# Altium PCB TRACKER.PcbDoc (part 1 of 2) (continued)
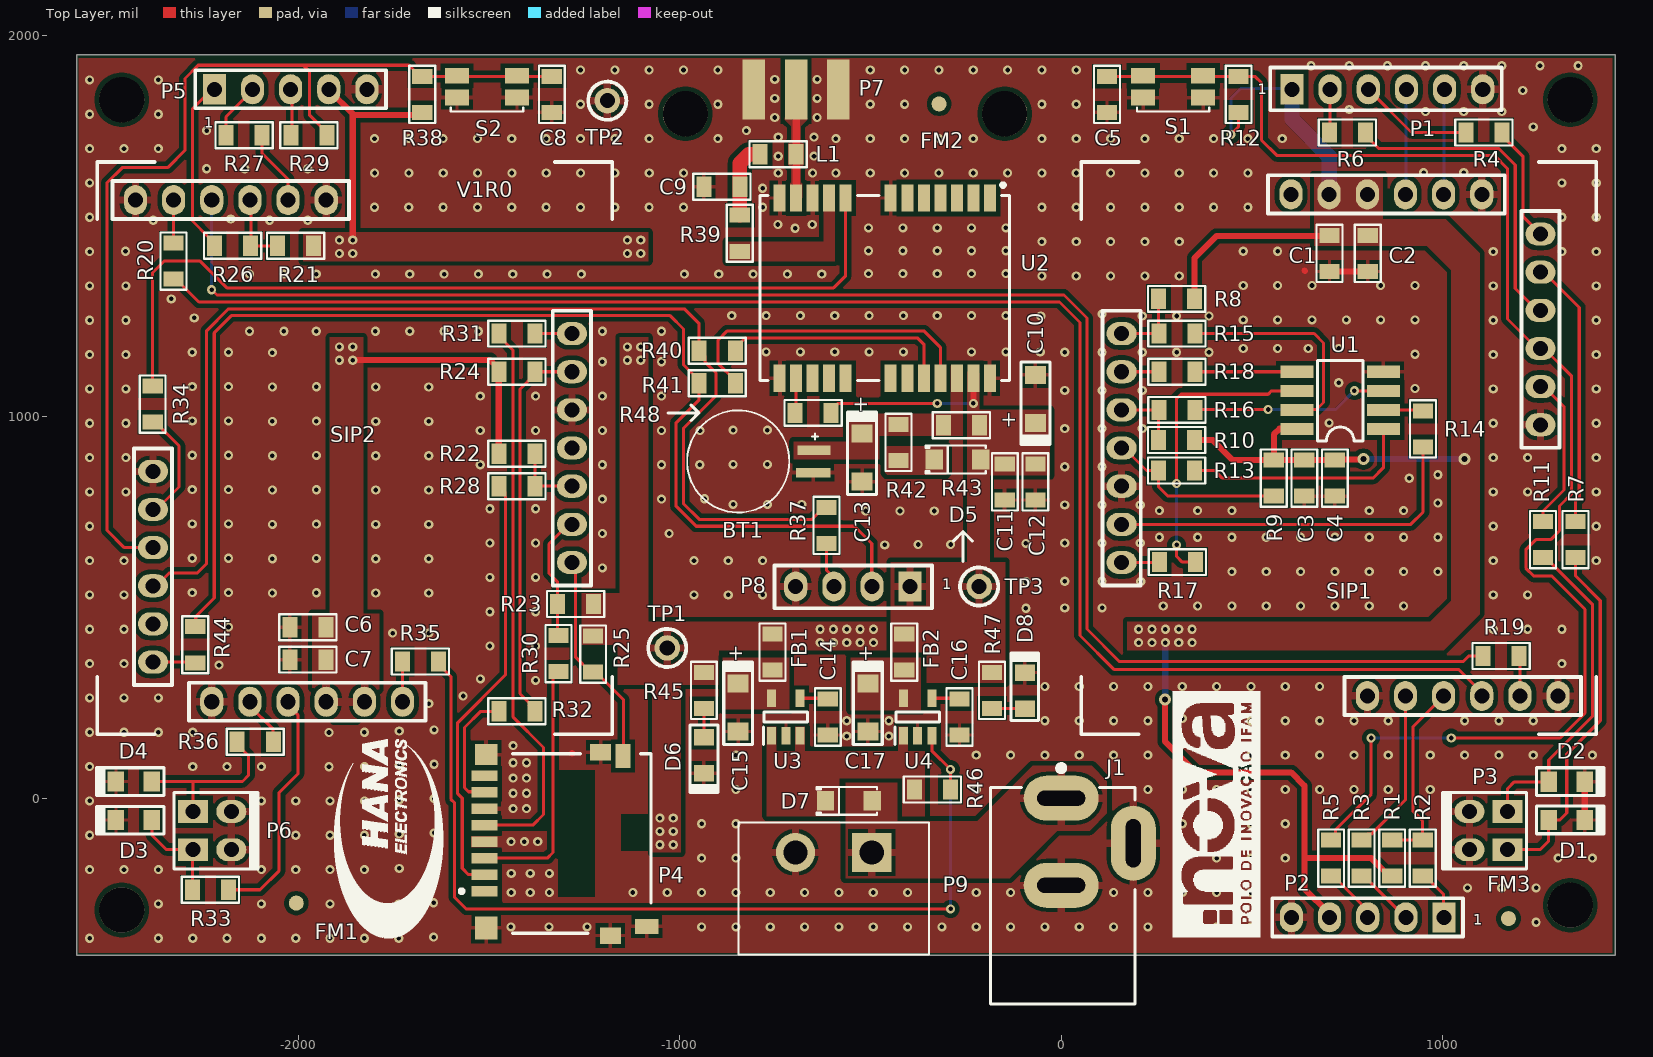
[diagram p0: Top Layer view]
## Part data (continued)
FB1 FB2: "FERRITE BEAD SMD 0805, 120Ω/100MHz, DC_RES=0.19Ω, 600mA", Case Code (Imperial)=0805, Case Code (Metric)=2012, Current Rating=600mA, DC Resistance (DCR)=190mR, DC Resistance-Max=250mR, Frequency=100MHz, Manufacturer=Murata, Max DC Current=200mA, Max Operating Temperature=125°C, Min Operating Temperature=-55°C, Package Quantity=1, Supplier Part Number 1=81-BLM21B121S, Tolerance=25%, Case/Package=0805, Category="Ferrite Beads and Chips", ComponentLink1Description=https://datasheet.ciiva.com/11800/0900766b81275df9-11800837.pdf?src-supplier=Rs, ComponentLink1URL=https://datasheet.ciiva.com/11800/0900766b81275df9-11800837.pdf?src-supplier=Rs, ComponentLink2Description=https://datasheet.ciiva.com/41449/001172337-da-01-en-drossel-0805-120r-2-0x1-25mm-4000st-41449654.pdf?src-supplier=Conrad, ComponentLink2URL=https://datasheet.ciiva.com/41449/001172337-da-01-en-drossel-0805-120r-2-0x1-25mm-4000st-41449654.pdf?src-supplier=Conrad, ComponentLink3Description=https://datasheet.ciiva.com/16420/l0110s0100blm21b-16420733.pdf?src-supplier=Future+Electronics, ComponentLink3URL=https://datasheet.ciiva.com/16420/l0110s0100blm21b-16420733.pdf?src-supplier=Future+Electronics, ComponentLink4Description=https://datasheet.ciiva.com/8021/5159-8021526.pdf?src-supplier=Element14, ComponentLink4URL=https://datasheet.ciiva.com/8021/5159-8021526.pdf?src-supplier=Element14, ComponentLink5Description=https://datasheet.ciiva.com/1012/l0110s0100blm21b-1012662.pdf?src-supplier=Digi-Key, ComponentLink5URL=https://datasheet.ciiva.com/1012/l0110s0100blm21b-1012662.pdf?src-supplier=Digi-Key, ComponentLink6Description=https://datasheet.ciiva.com/1012/l0110s0100blm21b-1012663.pdf?src-supplier=Digi-Key, ComponentLink6URL=https://datasheet.ciiva.com/1012/l0110s0100blm21b-1012663.pdf?src-supplier=Digi-Key, ComponentLink7Description=https://datasheet.ciiva.com/1012/l0110s0100blm21b-1012664.pdf?src-supplier=Digi-Key, ComponentLink7URL=https://datasheet.ciiva.com/1012/l0110s0100blm21b-1012664.pdf?src-supplier=Digi-Key, ComponentLink8Description=https://datasheet.ciiva.com/3082/l0110s0100blm21b-3082737.pdf?src-supplier=Avnet, ComponentLink8URL=https://datasheet.ciiva.com/3082/l0110s0100blm21b-3082737.pdf?src-supplier=Avnet, Core Material=Ferrite, Depth=1.45mm, Height=0.85mm, Impedance=120R, Lead Free="Lead Free", Length=2mm, Manufacturer Part Number=BLM21BB121SN1D, Material=Steel,Ferrite, Max Current Rating=600mA, Number of Circuits=1, Number of Lines=1, Packaging="Tape and Reel", Pins=2, Pricing 1="1=0,15, 10=0,1, 50=0,1, 100=0,069, 1000=0,042, 10000=0,037 (USD)", Reach SVHC Compliant=No, RoHS=Yes, RoHS Compliant=Yes, Series=BLM21B, Shielding=Unshielded, Stock 1=377, Supplier 1=Mouser, Supplier 2=Digi-Key, Supplier 3=Digi-Key, Supplier Part Number 2=490-1042-6-ND, Supplier Part Number 3=490-1042-1-ND, Termination=SMD/SMT, Test Frequency=100MHz, Weight=0.000194oz, Width=1.25mm
J1: "CONN PWR JACK 2.5X5.5MM SOLDER", Color=Black, Current Rating=2.5A, Flammability Rating="UL94 V-0", Insulation Resistance=100MR, Manufacturer=CUI, Manufacturer Part Number=PJ-002B, Max Operating Temperature=85°C, Min Operating Temperature=-25°C, Package Quantity=500, Supplier Part Number 1=CP-002B-ND, Voltage Rating=24V, Category=Connectors, ComponentLink1Description=http://www.mouser.com/ds/2/670/pj-002b-515833.pdf?src-supplier=Mouser, ComponentLink1URL=http://www.mouser.com/ds/2/670/pj-002b-515833.pdf?src-supplier=Mouser, ComponentLink2Description=https://www.cui.com/product/resource/digikeypdf/pj-002b.pdf?src-supplier=Digi-Key, ComponentLink2URL=https://www.cui.com/product/resource/digikeypdf/pj-002b.pdf?src-supplier=Digi-Key, ComponentLink3Description=http://www.cui.com/Product/Resource/FuturePDF/PJ-002B.pdf?src-supplier=Future+Electronics, ComponentLink3URL=http://www.cui.com/Product/Resource/FuturePDF/PJ-002B.pdf?src-supplier=Future+Electronics, Connector Type=Jack, Contact Gender=Male, Contact Material="Copper,Copper Alloy", Contact Plating=Nickel, Diameter=2.5mm, Gender=Male, Housing Color=Black, Housing Material=Thermoplastic, Lead Free="Lead Free", Mount="Through Hole", Number of Conductors=2, Orientation=Horizontal, Packaging=Bulk, RoHS=Yes, Series=-, Shielding=Unshielded, Supplier 1=Digi-Key, Termination="Through Hole"
L1: library part PE-0603CD270JTT, "Inductor RF Chip Wirewound 27nH 5% 250MHz 35Q-Factor Ceramic 600mA 220mOhm DCR 0603 T/R", Case Code (Imperial)=0603, Case Code (Metric)=1608, Current Rating=600mA, DC Resistance (DCR)=220mR, Manufacturer=Pulse, Max Operating Temperature=125°C, Min Operating Temperature=-40°C, Package Quantity=2000, Self Resonant Frequency=2.8GHz, Supplier Part Number 1=673-PE-0603CD270JT, Test Frequency=250MHz, Tolerance=5%, Case/Package=0603, Category="Fixed Inductors", ComponentLink1Description=https://datasheet.ciiva.com/3867/41750067s7463805n6149-3867141.pdf?src-supplier=Arrow+Electronics, ComponentLink1URL=https://datasheet.ciiva.com/3867/41750067s7463805n6149-3867141.pdf?src-supplier=Arrow+Electronics, ComponentLink2Description=https://datasheet.ciiva.com/48683/+wc701-48683258.pdf?src-supplier=Avnet, ComponentLink2URL=https://datasheet.ciiva.com/48683/+wc701-48683258.pdf?src-supplier=Avnet, Core Material=Ceramic, Depth=1.24mm, Height=0.64mm, Height - Seated (Max)=0.04inch, Lead Free="Lead Free", Length=0.071inch, Manufacturer Part Number=PE-0603CD270JTT, Max DC Current=600mA, Mounting Technology="Surface Mount", Packaging="Tape and Reel", Pricing 1="1=0,4, 10=0,268, 50=0,268, 100=0,223, 1000=0,161, 10000=0,128 (USD)", Q Factor=35, Radiation Hardening=No, RoHS=Yes, RoHS Compliant=Yes, Series=0603CD, Shielding=Unshielded, Stock 1=11114, Supplier 1=Mouser, Supplier 2=Digi-Key, Supplier 3=Digi-Key, Supplier Part Number 2=553-1022-1-ND, Supplier Part Number 3=553-1022-6-ND, Termination=SMD/SMT, Weight=7.1E-05oz, Width=0.049inch
P1: "Dubox®, Board To Board Connector, Receptacle, Vertical, Through Hole, Single Row, Top Entry, 6 Positions, 2.54mm...", Color=Blue, Contact Resistance=20mR, Current Rating=3A, Manufacturer="Amphenol ICC / FCI", Max Operating Temperature=125°C, Max Voltage Rating (AC)=1kV, Min Operating Temperature=-65°C, Package Quantity=38, Supplier Part Number 1=649-75915-306LF, Category=Connectors, ComponentLink1Description=http://uk.rs-online.com/webdocs/1450/0900766b81450f78.pdf?src-supplier=Rs, ComponentLink1URL=http://uk.rs-online.com/webdocs/1450/0900766b81450f78.pdf?src-supplier=Rs, ComponentLink2Description=https://www.alliedelec.com/m/d/3fdd05ac84d362d84c92a466b6b2a112.pdf?src-supplier=Allied+Electronics, ComponentLink2URL=https://www.alliedelec.com/m/d/3fdd05ac84d362d84c92a466b6b2a112.pdf?src-supplier=Allied+Electronics, ComponentLink3Description=https://datasheet.octopart.com/75915-306LF-Amphenol-Communications-Solutions-datasheet-8496762.pdf?src-supplier=Newark, ComponentLink3URL=https://datasheet.octopart.com/75915-306LF-Amphenol-Communications-Solutions-datasheet-8496762.pdf?src-supplier=Newark, ComponentLink4Description=http://portal.fciconnect.com/Comergent/fci/drawing/75915.pdf?src-supplier=Avnet, ComponentLink4URL=http://portal.fciconnect.com/Comergent/fci/drawing/75915.pdf?src-supplier=Avnet, ComponentLink5Description=https://cdn.amphenol-icc.com/media/wysiwyg/files/drawing/75915.pdf?src-supplier=Digi-Key, ComponentLink5URL=https://cdn.amphenol-icc.com/media/wysiwyg/files/drawing/75915.pdf?src-supplier=Digi-Key, ComponentLink6Description=http://www.mouser.com/ds/2/154/75915-68319.pdf?src-supplier=Mouser, ComponentLink6URL=http://www.mouser.com/ds/2/154/75915-68319.pdf?src-supplier=Mouser, ComponentLink7Description=http://components.arrow.com/part/dataview/41915849S8311523N8314?src-supplier=Arrow+Electronics, ComponentLink7URL=http://components.arrow.com/part/dataview/41915849S8311523N8314?src-supplier=Arrow+Electronics, ComponentLink8Description=http://portal.fciconnect.com/Comergent/fci/drawing/75915.pdf?src-supplier=Element14, ComponentLink8URL=http://portal.fciconnect.com/Comergent/fci/drawing/75915.pdf?src-supplier=Element14, ComponentLink9Description=https://datasheet.octopart.com/75915-306LF-Amphenol-datasheet-94059536.pdf?src-supplier=Element14, ComponentLink9URL=https://datasheet.octopart.com/75915-306LF-Amphenol-datasheet-94059536.pdf?src-supplier=Element14, ComponentLink10Description=https://datasheet.octopart.com/75915-306LF-Amphenol-Communications-Solutions-datasheet-168215130.pdf?src-supplier=TME, ComponentLink10URL=https://datasheet.octopart.com/75915-306LF-Amphenol-Communications-Solutions-datasheet-168215130.pdf?src-supplier=TME, Connector Type=Receptacle, Contact Material=Bronze, Contact Plating=Gold, Depth=2.5mm, Gender=Receptacle, Housing Color=Blue, Housing Material=Thermoplastic, Length=15.16mm, Manufacturer Part Number=75915-306LF, Mounting Technology="Through Hole", Number of Contacts=6, Number of Positions=6, Number of Rows=1, Orientation=Straight, Packaging=Rail/Tube, Pitch=2.54mm, Pricing 1="1=0,8242, 10=0,6975, 25=0,6703, 50=0,6435, 100=0,5765, 250=0,4365 (USD)", Radiation Hardening=No, Reach SVHC Compliant=No, RoHS=No, Series="DUBOX™, MezzSelect™, Basics+", Stack Height=8.5mm, Stock 1=10427, Supplier 1=Mouser, Supplier 2=Digi-Key, Supplier Part Number 2=609-3558-ND, Termination=Solder, Voltage Rating=1kV
P2 P5: library part 75915-305LF, "Dubox®, Board To Board Connector, Receptacle, Vertical, Through Hole, Single Row, Top Entry, 5 Positions, 2.54mm...", Color=Blue, Contact Resistance=20mR, Manufacturer="Amphenol ICC / FCI", Max Operating Temperature=125°C, Max Voltage Rating (AC)=1kV, Min Operating Temperature=-65°C, Package Quantity=46, Supplier Part Number 1=649-75915-305LF, Category=Connectors, ComponentLink1Description=https://datasheet.ciiva.com/10148/75915-10148925.pdf?src-supplier=Avnet, ComponentLink1URL=https://datasheet.ciiva.com/10148/75915-10148925.pdf?src-supplier=Avnet, ComponentLink2Description=https://datasheet.ciiva.com/411/75915-411935.pdf?src-supplier=Digi-Key, ComponentLink2URL=https://datasheet.ciiva.com/411/75915-411935.pdf?src-supplier=Digi-Key, Connector Type=Receptacle, Contact Material=Bronze, Contact Plating=Gold, Depth=2.5mm, Gender=Female, Housing Color=Blue, Housing Material=Thermoplastic, Lead Free="Lead Free", Length=12.62mm, Manufacturer Part Number=75915-305LF, Mounting Technology="Through Hole", Number of Contacts=5, Number of Positions=5, Number of Rows=1, Orientation=Straight, Packaging=Rail/Tube, Pitch=2.54mm, Pricing 1="1=0,9623, 10=0,7633, 25=0,7318, 50=0,6655, 100=0,6312, 500=0,4183 (USD)", Radiation Hardening=No, RoHS=Yes, Series="DUBOX™, MezzSelect™, Basics+", Stock 1=1208, Supplier 1=Mouser, Supplier 2=Digi-Key, Supplier Part Number 2=609-5979-ND, Termination=Solder
P3 P6: "HEADER 2X3, PTH-2.54MM, VERT, MALE"
P4: "Memory Card Connectors MICRO SD CD CONN STD SMT PUSHPULL", Contact Resistance=100mR, Current Rating=500mA, Flammability Rating="UL94 V-0", Insulation Resistance=1GR, Manufacturer=Hirose, Max Operating Temperature=85°C, Max Voltage Rating (AC)=125V, Min Operating Temperature=-25°C, Package Quantity=1, Supplier Part Number 1=798-DM3D-SF, Category="Memory Connectors", ComponentLink1Description=https://datasheet.ciiva.com/11755/0900766b80fd13c1-11755152.pdf?src-supplier=Rs, ComponentLink1URL=https://datasheet.ciiva.com/11755/0900766b80fd13c1-11755152.pdf?src-supplier=Rs, ComponentLink2Description=https://datasheet.ciiva.com/1105/1697167-1105105.pdf?src-supplier=Element14, ComponentLink2URL=https://datasheet.ciiva.com/1105/1697167-1105105.pdf?src-supplier=Element14, ComponentLink3Description=https://datasheet.ciiva.com/22627/1697167-22627974.pdf?src-supplier=Farnell, ComponentLink3URL=https://datasheet.ciiva.com/22627/1697167-22627974.pdf?src-supplier=Farnell, ComponentLink4Description=https://datasheet.ciiva.com/3122/e60900232-3122537.pdf?src-supplier=Avnet, ComponentLink4URL=https://datasheet.ciiva.com/3122/e60900232-3122537.pdf?src-supplier=Avnet, ComponentLink5Description=https://datasheet.ciiva.com/15174/getdatasheetpartid-432464-15174822.pdf?src-supplier=Verical, ComponentLink5URL=https://datasheet.ciiva.com/15174/getdatasheetpartid-432464-15174822.pdf?src-supplier=Verical, ComponentLink6Description=https://datasheet.ciiva.com/16287/e60900232-16287615.pdf?src-supplier=Future+Electronics, ComponentLink6URL=https://datasheet.ciiva.com/16287/e60900232-16287615.pdf?src-supplier=Future+Electronics, ComponentLink7Description=https://datasheet.ciiva.com/683/e60900232-683362.pdf?src-supplier=Digi-Key, ComponentLink7URL=https://datasheet.ciiva.com/683/e60900232-683362.pdf?src-supplier=Digi-Key, ComponentLink8Description=https://datasheet.ciiva.com/683/e60900232-683363.pdf?src-supplier=Digi-Key, ComponentLink8URL=https://datasheet.ciiva.com/683/e60900232-683363.pdf?src-supplier=Digi-Key, ComponentLink9Description=https://datasheet.ciiva.com/683/e60900232-683364.pdf?src-supplier=Digi-Key, ComponentLink9URL=https://datasheet.ciiva.com/683/e60900232-683364.pdf?src-supplier=Digi-Key, Connector Type=Connector, Contact Material="Copper Alloy,Copper", Contact Plating=Gold, Depth=11.45mm, Gender=Female, Housing Material=Polymer, Lead Free="Lead Free", Length=11.95mm, Manufacturer Part Number=DM3D-SF, Max Current Rating=500mA, Mounting Technology="Surface Mount", Number of Contacts=8, Number of Rows=1, Orientation="Right Angle", Packaging="Tape and Reel", Pitch=1.1mm, Pricing 1="1=1,82, 10=1,59, 50=1,59, 100=1,42, 1000=1,02, 10000=0,899 (USD)", Radiation Hardening=No, Reach SVHC Compliant=No, RoHS=Yes, RoHS Compliant=Yes, Series=DM3, Stock 1=57458, Supplier 1=Mouser, Supplier 2=Digi-Key, Supplier 3=Digi-Key, Supplier Part Number 2=HR1941CT-ND, Supplier Part Number 3=HR1941DKR-ND, Termination=Solder, Voltage Rating (AC)=125V, Width=11.95mm
P7: "Sma Female Connector, Pcb Edge Mount Rohs Compliant: Yes", Case/Package=SMA, Manufacturer="RF Solutions", Supplier Part Number 1=223-CON-SMA-EDGE-S, Category="RF / Coaxial Connectors", ComponentLink1Description=https://media.digikey.com/pdf/Data%20Sheets/RF%20Solutions%20PDFs/CON-SMA-EDGE.pdf?src-supplier=Digi-Key, ComponentLink1URL=https://media.digikey.com/pdf/Data%20Sheets/RF%20Solutions%20PDFs/CON-SMA-EDGE.pdf?src-supplier=Digi-Key, Connector Type=SMA, Fastening Type=Threaded, Manufacturer Part Number=CON-SMA-EDGE-S, Mounting Technology=Edge,Board, Number of Ports=1, Pricing 1="1=1,69 (USD)", RoHS=Yes, Series=-, Stock 1=11103, Supplier 1=Mouser, Supplier 2=Digi-Key, Supplier Part Number 2=CON-SMA-EDGE-S-ND, Termination=Solder
P8: "NEO 5M GPS MODULE (NO PPS SIGNAL)"
P9: "312; 5.08mm Pitch Straight Pluggable Term Block; PCB Header; Through Hole; 2 Way", Color=Green, Current=20A, Flammability Rating="UL94 V-0", Manufacturer="Wurth Electronics", Supplier Part Number 1=710-691312510002, Voltage=300V, Category="Terminal Blocks", ComponentLink1Description=https://datasheet.ciiva.com/48692/001088667-da-01-en-wr-tbl-terminal-block312-691312510002-48692923.pdf?src-supplier=Conrad, ComponentLink1URL=https://datasheet.ciiva.com/48692/001088667-da-01-en-wr-tbl-terminal-block312-691312510002-48692923.pdf?src-supplier=Conrad, Contact Material=Brass, Contact Plating=Tin, Height=12mm, Housing Material=PBT, Length=11.5mm, Manufacturer Part Number=691312510002, Mounting Technology="Through Hole", Number of Contacts=2, Number of Levels=1, Number of Positions=2, Number of Positions Per Level=2, Number of Rows=1, Pitch=5.08mm, Pricing 1="1=0,35, 10=0,333, 50=0,316, 100=0,316, 1000=0,312, 10000=0,308 (USD)", Reach SVHC Compliant=Unknown, RoHS=Yes, RoHS Compliant=Yes, Series="WR-TBL Series 312", Stock 1=3027, Supplier 1=Mouser, Supplier 2=Digi-Key, Supplier Part Number 2=732-2064-ND, Termination=Solder, Width=10.16mm
R1 R21: library part ERJ-6GEYJ104V, "RES SMD 0805, 100K OHM 5% 1/8W", Case Code (Imperial)=0805, Case Code (Metric)=2012, Manufacturer=Panasonic, Max Operating Temperature=155°C, Max Power Dissipation=125mW, Min Operating Temperature=-55°C, Package Quantity=5000, Resistance=100kR, Supplier Part Number 1=667-ERJ-6GEYJ104V, Temperature Coefficient=200ppm/°C, Tolerance=5%, Voltage Rating=150V, Case/Package=0805, ComponentLink1Description=https://datasheet.ciiva.com/11821/0900766b80f806dd-11821506.pdf?src-supplier=RSComponents, ComponentLink1URL=https://datasheet.ciiva.com/11821/0900766b80f806dd-11821506.pdf?src-supplier=RSComponents, ComponentLink2Description=https://datasheet.ciiva.com/34303/2007290-34303759.pdf?src-supplier=Jameco, ComponentLink2URL=https://datasheet.ciiva.com/34303/2007290-34303759.pdf?src-supplier=Jameco, ComponentLink3Description=https://datasheet.ciiva.com/16771/70255313-16771462.pdf?src-supplier=Allied+Electronics, ComponentLink3URL=https://datasheet.ciiva.com/16771/70255313-16771462.pdf?src-supplier=Allied+Electronics, ComponentLink4Description=https://datasheet.ciiva.com/43460/1500035-43460136.pdf?src-supplier=Farnell, ComponentLink4URL=https://datasheet.ciiva.com/43460/1500035-43460136.pdf?src-supplier=Farnell, ComponentLink5Description=https://datasheet.ciiva.com/22758/1500035-22758234.pdf?src-supplier=Farnell, ComponentLink5URL=https://datasheet.ciiva.com/22758/1500035-22758234.pdf?src-supplier=Farnell, ComponentLink6Description=https://datasheet.ciiva.com/17208/aoa0000ce1-17208156.pdf?src-supplier=Avnet+Europe, ComponentLink6URL=https://datasheet.ciiva.com/17208/aoa0000ce1-17208156.pdf?src-supplier=Avnet+Europe, ComponentLink7Description=https://datasheet.ciiva.com/30137/4aoa0000ce1-30137389.pdf?src-supplier=Onlinecomponents.com, ComponentLink7URL=https://datasheet.ciiva.com/30137/4aoa0000ce1-30137389.pdf?src-supplier=Onlinecomponents.com, ComponentLink8Description=https://datasheet.ciiva.com/9117/aoa0000ce1-9117374.pdf?src-supplier=Avnet, ComponentLink8URL=https://datasheet.ciiva.com/9117/aoa0000ce1-9117374.pdf?src-supplier=Avnet, ComponentLink9Description=https://datasheet.ciiva.com/46380/1500035-46380511.pdf?src-supplier=Element14, ComponentLink9URL=https://datasheet.ciiva.com/46380/1500035-46380511.pdf?src-supplier=Element14, Composition="Thick Film", Contact Plating=Tin, Depth=1.25mm, Features="Automotive AEC-Q200", Height=0.6mm, Lead Free="Lead Free", Length=2mm, Manufacturer Part Number=ERJ-6GEYJ104V, Military Standard=Not, Mount="Surface Mount", Number of Terminations=2, Packaging="Tape and Reel", Power Rating=125mW, Pricing 1="1 = 0,10000, 10 = 0,06100, 100 = 0,02490, 1000 = 0,01120, 2500 = 0,00972 (USD)", Radiation Hardening=No, REACH SVHC="No SVHC", RoHS=Yes, Stock 1=1160981, Supplier 1=Mouser, Supplier 2=Digi-Key, Supplier 3=Digi-Key, Supplier Part Number 2=P100KACT-ND, Supplier Part Number 3=P100KADKR-ND, Termination=SMD/SMT, Voltage Rating (DC)=150V, Weight=0.000194oz, Width=0.049inch
R2 R3 R4 R5 R6 R13 R14 R15 R16 R17 R18 R19 R20 R26 R27 R28 R29 R30 R31 R32 R34 R35 R37 R40 R44: library part ERJ-P06J220V, "RES SMD 0805, 22 OHM 5% 1/2W", Case Code (Imperial)=0805, Case Code (Metric)=2012, Manufacturer=Panasonic, Max Operating Temperature=155°C, Max Power Dissipation=500mW, Min Operating Temperature=-55°C, Package Quantity=1, Supplier Part Number 1=667-ERJ-P06J220V, Temperature Coefficient=300ppm/°C, Tolerance=5%, Voltage Rating=150V, Case/Package=0805, Category="Chip SMD Resistors", ComponentLink1Description=https://datasheet.ciiva.com/9191/aoa0000ce4-9191918.pdf?src-supplier=Avnet, ComponentLink1URL=https://datasheet.ciiva.com/9191/aoa0000ce4-9191918.pdf?src-supplier=Avnet, ComponentLink2Description=https://datasheet.ciiva.com/30188/aoa0000ce4-30188085.pdf?src-supplier=Onlinecomponents.com, ComponentLink2URL=https://datasheet.ciiva.com/30188/aoa0000ce4-30188085.pdf?src-supplier=Onlinecomponents.com, Contact Plating=Tin, Features="Automotive AEC-Q200", Height=0.028inch, Lead Free="Lead Free", Length=0.079inch, Manufacturer Part Number=ERJ-P06J220V, Mounting Technology="Surface Mount", Number of Terminations=2, Packaging="Tape and Reel", Power Rating=500mW, Pricing 1="1=0,11, 10=0,056, 50=0,056, 100=0,025, 1000=0,018, 5000=0,014, 10000=0,013, 25000=0,011, 50000=0,01 (USD)", Pricing 2="1=0,11, 10=0,095, 50=0,051, 100=0,0364, 500=0,02254, 1000=0,016 (USD)", Pricing 3="1=0,11, 10=0,095, 50=0,051, 100=0,0364, 500=0,02254, 1000=0,016 (USD)", RoHS=Yes, RoHS Compliant=Yes, Series=ERJ, Stock 1=62638, Stock 2=967, Stock 3=967, Supplier 1=Mouser, Supplier 2=Digi-Key, Supplier 3=Digi-Key, Supplier Part Number 2=P22ADCT-ND, Supplier Part Number 3=P22ADDKR-ND, Voltage Rating (DC)=150V, Width=1.2mm
R7 R11 R33 R36 R45 R47: library part RNCP0805FTD1K00, "Res Thin Film 0805 1K Ohm 1% 0.25W(1/4W) ±100ppm/C Sulfur Resistant Pad SMD T/R", Case Code (Imperial)=0805, Case Code (Metric)=2012, Manufacturer="Stackpole Electronics", Max Operating Temperature=155°C, Max Power Dissipation=250mW, Min Operating Temperature=-55°C, Supplier Part Number 1=708-RNCP0805FTD1K00, Temperature Coefficient=100ppm/°C, Tolerance=1%, Case/Package=0805, Category="Chip SMD Resistors", ComponentLink1Description=http://www.seielect.com/Catalog/SEI-rncp.pdf?src-supplier=Future+Electronics, ComponentLink1URL=http://www.seielect.com/Catalog/SEI-rncp.pdf?src-supplier=Future+Electronics, ComponentLink2Description=https://www.seielect.com/catalog/SEI-Packaging.pdf?src-supplier=Digi-Key, ComponentLink2URL=https://www.seielect.com/catalog/SEI-Packaging.pdf?src-supplier=Digi-Key, ComponentLink3Description=https://www.seielect.com/Catalog/SEI-rncp.pdf?src-supplier=Digi-Key, ComponentLink3URL=https://www.seielect.com/Catalog/SEI-rncp.pdf?src-supplier=Digi-Key, Features="Moisture Resistant,Anti-Sulfur", Height=0.024inch, Lead Free="Lead Free", Length=0.079inch, Manufacturer Part Number=RNCP0805FTD1K00, Mounting Technology="Surface Mount", Number of Terminations=2, Packaging="Cut Tape", Power Rating=250mW, Pricing 1="1=0,1, 10=0,069, 50=0,069, 100=0,029, 1000=0,013, 10000=0,007 (USD)", RoHS=Yes, RoHS Compliant=Yes, Series=RNCP, Stock 1=70653, Supplier 1=Mouser, Supplier 2=Digi-Key, Supplier 3=Digi-Key, Supplier Part Number 2=RNCP0805FTD1K00CT-ND, Supplier Part Number 3=RNCP0805FTD1K00DKR-ND, Width=0.049inch
R8 R9 R10 R12 R22 R23 R24 R25 R38 R48: library part RNCP0805FTD10K0, "Res Thin Film 0805 10K Ohm 1% 1/4W ±100ppm/°C Molded SMD Paper T/R", Case Code (Imperial)=0805, Case Code (Metric)=2012, Manufacturer="Stackpole Electronics", Max Operating Temperature=155°C, Max Power Dissipation=250mW, Min Operating Temperature=-55°C, Supplier Part Number 1=708-RNCP0805FTD10K0, Temperature Coefficient=100ppm/°C, Tolerance=1%, Case/Package=0805, Category="Chip SMD Resistors", ComponentLink1Description=https://datasheet.octopart.com/RNCP0805FTD10K0-Stackpole-Electronics-datasheet-33021030.pdf?src-supplier=Future+Electronics, ComponentLink1URL=https://datasheet.octopart.com/RNCP0805FTD10K0-Stackpole-Electronics-datasheet-33021030.pdf?src-supplier=Future+Electronics, ComponentLink2Description=https://www.seielect.com/catalog/SEI-Packaging.pdf?src-supplier=Digi-Key, ComponentLink2URL=https://www.seielect.com/catalog/SEI-Packaging.pdf?src-supplier=Digi-Key, Features="Moisture Resistant,Anti-Sulfur", Height=0.024inch, Lead Free="Lead Free", Length=0.079inch, Manufacturer Part Number=RNCP0805FTD10K0, Mounting Technology="Surface Mount", Number of Terminations=2, Packaging="Cut Tape", Pricing 1="1=0,1, 10=0,069, 50=0,069, 100=0,029, 1000=0,013, 10000=0,007 (USD)", RoHS=Yes, RoHS Compliant=Yes, Series=RNCP, Stock 1=197654, Supplier 1=Mouser, Width=0.049inch
R39: library part CRCW080510R0FKEAHP, "RES SMD 0805, 10 OHM 1% 1/3W", Case Code (Imperial)=0805, Case Code (Metric)=2012, Manufacturer=Vishay, Max Operating Temperature=155°C, Max Power Dissipation=333mW, Min Operating Temperature=-55°C, Package Quantity=5000, Power Rating=330mW, Ratings=AEC-Q200, Resistance Tolerance=1%, Resistor Type="Thick Film", Supplier Part Number 1=71-CRCW080510R0FKEAH, Temperature Coefficient=100ppm/°C, Voltage Rating=150V, Case/Package=0805, Category="Chip SMD Resistors", ComponentLink1Description=https://datasheet.ciiva.com/5549/crcwhpe3-46056-5549342.pdf?src-supplier=Mouser, ComponentLink1URL=https://datasheet.ciiva.com/5549/crcwhpe3-46056-5549342.pdf?src-supplier=Mouser, ComponentLink2Description=https://datasheet.ciiva.com/22673/1885357-22673082.pdf?src-supplier=Element14, ComponentLink2URL=https://datasheet.ciiva.com/22673/1885357-22673082.pdf?src-supplier=Element14, ComponentLink3Description=https://datasheet.ciiva.com/22673/1885357-22673083.pdf?src-supplier=Element14, ComponentLink3URL=https://datasheet.ciiva.com/22673/1885357-22673083.pdf?src-supplier=Element14, Construction=Rectangular, Contact Plating=Tin, Depth=1.25mm, Features="Automotive AEC-Q200", Height=0.5mm, Lead Free="Lead Free", Length=2mm, Manufacturer Part Number=CRCW080510R0FKEAHP, Military Standard=Not, Number of Terminations=2, Packaging="Tape and Reel", Pricing 1="1=0,19, 10=0,103, 50=0,103, 100=0,046, 1000=0,026, 10000=0,022 (USD)", Radiation Hardening=No, Reach SVHC Compliant=Unknown, RoHS=Yes, RoHS Compliant=Yes, Series=CRCW-HP, Stock 1=690923, Supplier 1=Mouser, Supplier 2=Digi-Key, Supplier 3=Digi-Key, Supplier Part Number 2=541-10.0TCT-ND, Supplier Part Number 3=541-10.0TDKR-ND, Technology="THICK FILM", Termination=SMD/SMT, Tolerance=1%, Voltage Rating (DC)=150V, Weight=0.000194oz, Width=1.2mm
R41 R43 R46: library part RC0805JR-070RL, "RES SMD 0805, 0 OHM JUMPER 1/8W", Case Code (Imperial)=0805, Case Code (Metric)=2012, Manufacturer 1=Yageo, Max Operating Temperature=155°C, Min Operating Temperature=-55°C, Power Rating=125mW, Resistance=0mR, Supplier Part Number 1=603-RC0805JR-070RL, Temperature Coefficient=200ppm/°C, Tolerance=5%, Voltage Rating=150V, Case/Package=0805, ComponentLink1Description=http://www.farnell.com/datasheets/1738694.pdf, ComponentLink1URL=http://www.farnell.com/datasheets/1738694.pdf, ComponentLink2Description=http://documents.rs-components.com/techlib://itc_doclist_GB.htm?stockno=6185129, ComponentLink2URL=http://documents.rs-components.com/techlib://itc_doclist_GB.htm?stockno=6185129, ComponentLink3Description=https://www.verical.com/server-webapp/html/getDatasheet?partID=330685, ComponentLink3URL=https://www.verical.com/server-webapp/html/getDatasheet?partID=330685, Composition="Thick Film", Contact Plating=Matte,Tin, Depth=1.25mm, Description 1="YAGEO         RC0805JR-070RL             RES, THICK FILM, 0R, 0.125W, 0805", Height=0.5mm, Lead Free="Lead Free", Length=2mm, Manufacturer Part Number=RC0805JR-070RL, Military Standard=Not, Number of Pins=2, Packaging="Tape and Reel", Pricing 1="1=0.1, 10=0.037, 25=0.0272, 50=0.0206, 100=0.0153, 250=0.01164, 500=0.0093, 1000=0.00685 (USD)", Radiation Hardening=No, REACH SVHC=Unknown, Stock 1=18575448, Supplier 1=Mouser, Supplier 2=Digi-Key, Supplier 3=Digi-Key, Supplier Part Number 2=311-0.0ARCT-ND, Supplier Part Number 3=311-0.0ARDKR-ND, Termination=SMD/SMT, Voltage Rating (DC)=150V, Width=1.25mm
R42: library part ESR10EZPJ332, "RES SMD 0805, 3.3K OHM 5% 0.4W", Case Code (Imperial)=0805, Case Code (Metric)=2012, Manufacturer=Rohm, Max Operating Temperature=155°C, Max Power Dissipation=400mW, Min Operating Temperature=-55°C, Ratings=AEC-Q200, Supplier Part Number 1=755-ESR10EZPJ332, Temperature Coefficient=200ppm/°C, Tolerance=5%, Case/Package=0805, Category="Chip SMD Resistors", ComponentLink1Description=https://datasheet.ciiva.com/2515/esr-2515908.pdf?src-supplier=Digi-Key, ComponentLink1URL=https://datasheet.ciiva.com/2515/esr-2515908.pdf?src-supplier=Digi-Key, ComponentLink2Description=https://datasheet.ciiva.com/2515/esr-2515909.pdf?src-supplier=Digi-Key, ComponentLink2URL=https://datasheet.ciiva.com/2515/esr-2515909.pdf?src-supplier=Digi-Key, ComponentLink3Description=https://datasheet.ciiva.com/2515/esr-2515910.pdf?src-supplier=Digi-Key, ComponentLink3URL=https://datasheet.ciiva.com/2515/esr-2515910.pdf?src-supplier=Digi-Key, Features="Automotive AEC-Q200", Manufacturer Part Number=ESR10EZPJ332, Number of Terminations=2, Packaging="Cut Tape", Pricing 1="1=0,13, 10=0,064, 50=0,064, 100=0,029, 1000=0,02, 10000=0,013 (USD)", RoHS=Yes, RoHS Compliant=Yes, Series=ESR, Stock 1=15240, Supplier 1=Mouser, Supplier 2=Digi-Key, Supplier 3=Digi-Key, Supplier Part Number 2=RHM3.3KKDKR-ND, Supplier Part Number 3=RHM3.3KKCT-ND
S1 S2: "Switch Tactile N.O. SPST Rectangular Button Gull Wing 0.05A 12VDC 2.2N SMD Embossed T/R", Actuator Color=Black, Case/Package=SMD/SMT, Contact Current Rating=50mA, Contact Resistance=500mR, Manufacturer=Panasonic, Max Operating Temperature=70°C, Max Voltage Rating (DC)=12V, Min Operating Temperature=-20°C, Operating Force=2.2N, Package Quantity=5000, Supplier Part Number 1=667-EVQP7A01P, Actuator Length=0.65mm, Category="Tactile Switches", ComponentLink1Description=https://www3.panasonic.biz/ac/e_download/control/switch/light-touch/catalog/sw_lt_eng_3529s_side.pdf, ComponentLink1URL=https://www3.panasonic.biz/ac/e_download/control/switch/light-touch/catalog/sw_lt_eng_3529s_side.pdf, ComponentLink2Description=https://datasheet.ciiva.com/30108/atk0000ce20-30108102.pdf?src-supplier=Onlinecomponents.com, ComponentLink2URL=https://datasheet.ciiva.com/30108/atk0000ce20-30108102.pdf?src-supplier=Onlinecomponents.com, Electrical Life=100000Cycles, Illumination Type=Non-Illuminated, Lead Free="Lead Free", Manufacturer Part Number=EVQ-P7A01P, Mechanical Life=100000Cycles, Mounting Technology="Surface Mount", Orientation="Right Angle", Packaging="Tape and Reel", Pricing 1="1=0,28, 10=0,258, 50=0,258, 100=0,213, 1000=0,169, 10000=0,138 (USD)", Radiation Hardening=No, Reach SVHC Compliant=Unknown, RoHS=Yes, Series=EVQP7, Stock 1=48946, Supplier 1=Mouser, Supplier 2=Digi-Key, Supplier 3=Digi-Key, Supplier Part Number 2=P16763CT-ND, Supplier Part Number 3=P16763DKR-ND, Switch Function=Off-Mom, Switch Travel=0.2mm, Termination="Gull Wing", Throw Configuration=SPST
SIP1 SIP2: "Pinos Fêmea para encaixe de HT Breakout"
TP1: library part "TESTPOINT 5000", "PC TEST POINT MINIATURE RED", Color=Red, Flammability Rating="UL94 V-0", Manufacturer 1="Keystone Electronics", Manufacturer Part Number 1=5000, Package Quantity=100, Supplier Part Number 1=36-5000-ND, Body Material=PBT,Bronze, ComponentLink1Description=https://datasheet.ciiva.com/11836/0900766b8009b7c7-11836046.pdf?src-supplier=RSComponents, ComponentLink1URL=https://datasheet.ciiva.com/11836/0900766b8009b7c7-11836046.pdf?src-supplier=RSComponents, ComponentLink2Description=https://datasheet.ciiva.com/2917/5000-5004-2917627.pdf?src-supplier=Digi-Key, ComponentLink2URL=https://datasheet.ciiva.com/2917/5000-5004-2917627.pdf?src-supplier=Digi-Key, ComponentLink3Description=https://datasheet.ciiva.com/16883/70182825-16883965.pdf?src-supplier=Allied+Electronics, ComponentLink3URL=https://datasheet.ciiva.com/16883/70182825-16883965.pdf?src-supplier=Allied+Electronics, Contact Material=Bronze, Contact Plating=Silver,Tin, Height=0.3inch, Hole Diameter=1.6mm, Housing Color=Red, Inside Diameter=1.27mm, Insulation=Insulated, Lead Free="Lead Free", Length=7.62mm, Material=Nylon,Bronze,Silver, Mount="Through Hole,PCB", Number of Contacts=1, Number of Ports=1, Orientation=Straight, Outside Diameter=2.54mm, Packaging=Bulk, Plating=Silver, Pricing 1="1=0,35000, 25=0,30800, 100=0,30150, 250=0,28304, 500=0,25230, 1000=0,17140, 2500=0,15296, 5000=0,14340, 10000=0,13384 (USD)", REACH SVHC="No SVHC", RoHS=Yes, Stock 1=386862, Supplier 1=Digi-Key
TP2: library part "TESTPOINT 5001", "PC TEST POINT MINIATURE BLACK", Color=Black, Flammability Rating="UL94 V-0", Manufacturer 1="Keystone Electronics", Manufacturer Part Number 1=5001, Package Quantity=100, Supplier Part Number 1=36-5001-ND, Body Material=PBT,Bronze, ComponentLink1Description=https://datasheet.ciiva.com/27052/1581986-27052611.pdf?src-supplier=Jameco, ComponentLink1URL=https://datasheet.ciiva.com/27052/1581986-27052611.pdf?src-supplier=Jameco, ComponentLink2Description=https://datasheet.ciiva.com/11836/0900766b8009b7c7-11836045.pdf?src-supplier=RSComponents, ComponentLink2URL=https://datasheet.ciiva.com/11836/0900766b8009b7c7-11836045.pdf?src-supplier=RSComponents, ComponentLink3Description=https://datasheet.ciiva.com/16318/m60-2p60-16318423.pdf?src-supplier=Future+Electronics, ComponentLink3URL=https://datasheet.ciiva.com/16318/m60-2p60-16318423.pdf?src-supplier=Future+Electronics, ComponentLink4Description=https://datasheet.ciiva.com/22631/1703983-22631100.pdf?src-supplier=Element14, ComponentLink4URL=https://datasheet.ciiva.com/22631/1703983-22631100.pdf?src-supplier=Element14, Contact Material=Bronze, Contact Plating=Silver,Tin, Diameter=2.54mm, Height=0.3inch, Hole Diameter=1.6mm, Housing Color=Black, Inside Diameter=1.27mm, Insulation=Insulated, Lead Free="Lead Free", Length=7.62mm, Material=Nylon,Bronze,Silver, Mount="Through Hole,PCB", Number of Contacts=1, Number of Ports=1, Orientation=Straight, Outside Diameter=2.54mm, Packaging=Bulk, Plating=Silver, Pricing 1="1=0,35000, 25=0,30800, 100=0,30150, 250=0,28304, 500=0,25230, 1000=0,17140, 2500=0,15296, 5000=0,14340, 10000=0,13384 (USD)", REACH SVHC="No SVHC", RoHS=Yes, Stock 1=483919, Supplier 1=Digi-Key, Termination="Through Hole"
TP3: library part "TESTPOINT 5003", "PC TEST POINT MINIATURE ORANGE", Color=Orange,White, Flammability Rating="UL94 V-0", Manufacturer 1="Keystone Electronics", Package Quantity=10, Supplier Part Number 1=36-5003-ND, Body Material=PBT, Category=Connectors, ComponentLink1Description=https://datasheet.ciiva.com/1454/1703983-1454826.pdf?src-supplier=Element14, ComponentLink1URL=https://datasheet.ciiva.com/1454/1703983-1454826.pdf?src-supplier=Element14, ComponentLink2Description=https://datasheet.ciiva.com/22631/1703983-22631103.pdf?src-supplier=Element14, ComponentLink2URL=https://datasheet.ciiva.com/22631/1703983-22631103.pdf?src-supplier=Element14, ComponentLink3Description=https://datasheet.ciiva.com/4598/5000-5004-4598618.pdf?src-supplier=Mouser, ComponentLink3URL=https://datasheet.ciiva.com/4598/5000-5004-4598618.pdf?src-supplier=Mouser, ComponentLink4Description=https://datasheet.ciiva.com/16885/70182825-16885788.pdf?src-supplier=Allied+Electronics, ComponentLink4URL=https://datasheet.ciiva.com/16885/70182825-16885788.pdf?src-supplier=Allied+Electronics, Contact Material=Bronze, Contact Plating=Silver,Tin, Height=0.3inch, Inside Diameter=1.27mm, Lead Free="Lead Free", Length=7.62mm, Manufacturer Part Number 1=5003, Material=Nylon,Bronze,Silver, Mount="PCB,Through Hole", Number of Pins=1, Outside Diameter=2.54mm, Packaging=Bulk, Plating=Silver, Pricing 1="1=0,42000, 25=0,34080, 100=0,30150, 250=0,28304, 500=0,25230, 1000=0,19884, 2500=0,18180, 5000=0,17044 (USD)", REACH SVHC="No SVHC", RoHS=Yes, RoHS Compliant=Yes, Series=THM, Stock 1=86359, Supplier 1=Digi-Key, Termination="Through Hole"
U1: "IC FLASH 8MBIT 104MHZ 8SOIC", Case/Package=SOIC, Frequency=104MHz, Manufacturer=Winbond, Max Operating Temperature=85°C, Min Operating Temperature=-40°C, Supplier Part Number 1=454-W25Q80DVSNIG, Category=Flash, ComponentLink1Description=http://www.winbond.com/resource-files/w25q80dv%20dl_revh_10022015.pdf?src-supplier=Digi-Key, ComponentLink1URL=http://www.winbond.com/resource-files/w25q80dv%20dl_revh_10022015.pdf?src-supplier=Digi-Key, Manufacturer Part Number=W25Q80DVSNIG, Memory Format=Non-Volatile,FLASH, Memory Size=8Mb, Mounting Technology="Surface Mount", Packaging=Rail/Tube, Pricing 1="1=0,51, 10=0,5, 25=0,464, 50=0,4616, 100=0,4099, 250=0,40472, 500=0,39858, 1000=0,38794, 5000=0,34874 (USD)", RoHS=Yes, RoHS Compliant=Yes, Series=SpiFlash®, Stock 1=106019, Supplier 1=Mouser, Supplier 2=Digi-Key, Supplier Part Number 2=W25Q80DVSNIG-ND
U2: "GNSS module, Flash, TCXO, SAW, LNA, LCC, 12x16 mm Professional Grade", Manufacturer=u-blox, Supplier Part Number 1=377-NEO-M9N-00B, Category="RF Receivers, Transceivers", Manufacturer Part Number=NEO-M9N-00B, Pricing 1="1=27, 10=23,92, 50=19,61, 100=15,6801 (USD)", RoHS=Yes, RoHS Compliant=Yes, Stock 1=3456, Supplier 1=Mouser, Supplier 2=Digi-Key, Supplier Part Number 2=672-NEO-M9N-00BCT-ND
U3 U4: "IC REG LDO 3.3V 0.5A SOT23-5", Case/Package=SOT-23-5, Dropout Voltage=340mV, Manufacturer=Exar, Manufacturer Part Number=SPX3819M5-L-3-3/TR, Max Operating Temperature=125°C, Max Output current=100mA, Max Supply Voltage=16V, Min Input Voltage=2.5V, Min Operating Temperature=-40°C, Min Output Voltage=3.3V, Output Current=500mA, Quiescent Current=3uA, Supplier Part Number 1=701-SPX3819M5-L-33TR, Accuracy=1%, Category="Voltage Regulators - Linear", ComponentLink1Description=https://datasheet.ciiva.com/6594/spx3819-ds-r202-052014-6594086.pdf?src-supplier=Digi-Key, ComponentLink1URL=https://datasheet.ciiva.com/6594/spx3819-ds-r202-052014-6594086.pdf?src-supplier=Digi-Key, ComponentLink2Description=https://datasheet.ciiva.com/16291/spx3819-series-16291548.pdf?src-supplier=Future+Electronics, ComponentLink2URL=https://datasheet.ciiva.com/16291/spx3819-series-16291548.pdf?src-supplier=Future+Electronics, Height=1.3mm, Lead Free="Lead Free", Length=2.9mm, Mounting Technology="Surface Mount", Number of Outputs=1, Number of Regulators=1, Output Type=Fixed, Output Voltage=3.3V, Packaging="Tape and Reel", Pins=5, Polarity=Positive, Pricing 1="50=0,362, 100=0,352, 250=0,308, 500=0,261 (GBP)", Radiation Hardening=No, RoHS=Yes, RoHS Compliant=Yes, Stock 1=360, Supplier 1=Mouser, Supplier 2=Digi-Key, Supplier 3="Arrow Electronics", Supplier Part Number 2=1016-1873-1-ND, Supplier Part Number 3=SPX3819M5-L-3-3/TR, Width=1.6mm

## Free pads (board coordinates)
  round 118.11 hole 118.11 unplated: ""(-2462.43,-293) ""(-2462.43,1830.78) ""(1334.31,-280.4) ""(1334.31,1830.78)

## Via types
v1: diameter 24, hole 12, Top Layer to Bottom Layer, tented both sides, 687 vias
v2: diameter 31.5, hole 15.75, Top Layer to Bottom Layer, tented both sides, 3 vias
v3: diameter 24, hole 12, Top Layer to Bottom Layer, 1 vias

## Nets (pads, with @x,y where several pads share a name; then routed paths per layer and width w, separated by ;. In a path a pad name is that pad's centre, name@x,y a point inside that pad or via, vN(x,y) a via of type N, cw(c..) or ccw(c..) an arc to the next point about the centre after c; other vN are vias at no path point)
+3.3V: C1.1 C2.1 C3.1 C4.1 C6.1 C7.1 FB1.2 P1.1 P2.4 P4.4 P5.4 R1.2 R8.2 R9.2 R10.2 R12.2 R21.2 R22.2 R23.2 R24.2 R25.2 R38.2 R45.2 SIP1.16 SIP1.17 SIP2.16 SIP2.17 TP1.1 U1.8 | length 4522.5
  Top Layer w8: v3(445,1740) 465,1760 R12.2@465,1797.76
  Top Layer w16: P5.4@-1916.56,1867.86 -1916.56,1853.22 -1856.99,1793.66 ; v1(-1856.99,1147.86) -1855.97,1148.89 -1498.37,1148.89 -1474.24,1124.75 R24.2@-1474.24,1117.86 R22.2@-1474.24,902.86 ; v1(-1856.99,1462.86) -1856.99,1793.66 ; R38.2@-1674.89,1790.62 -1853.95,1790.62 -1856.99,1793.66 ; v2(272.42,258.89) 272.42,148.45 353.01,67.86 602.44,67.86 637.44,32.86 637.44,-157.14 ; R8.2@348.54,1310.01 R8.2@349.66,1308.89 349.66,1416.13 407.42,1473.89 702.22,1473.89 C1.1@703.44,1475.11 ; R10.2@349.66,938.89 397.42,938.89 450.17,886.13 R9.2@557.42,886.13 ; U1.8@618.44,967.86 617.42,968.89 572.42,968.89 557.42,953.89 R9.2@557.42,886.13 ; P2.4@703.44,-312.14 703.44,-303.08 637.44,-237.08 637.44,-157.14 ; v2(792.42,888.89) 791.04,887.51 718.79,887.51 C4.1@717.42,886.13 C3.1@637.42,886.13 R9.2@557.42,886.13 ; 812.16,-157.14 637.44,-157.14 ; 813.31,-157.14 860.55,-204.38 R1.2@867.44,-204.38
  Bottom Layer w8: v3(445,1740) 445,1835 470,1860 603.3,1860 P1.1@605,1858.3
  Bottom Layer w16: v2(272.42,258.89) 272.71,259.18 272.71,407.57 v1(273.01,407.86) ; v2(792.42,888.89) v2(1057.42,888.89)
  Bottom Layer w40: P1.1@605,1858.3 605,1780 702.44,1682.56 SIP1.17@702.44,1582.86
  other v1: -1051.99,-122.14 -1016.99,-122.14 -1441.99,-113.83 -1406.99,-113.83 -1371.99,-113.83 -1051.99,-87.14 -1016.99,-87.14 -1051.99,-52.14 -1016.99,-52.14 -631.99,407.86 -596.99,407.86 -561.99,407.86 -526.99,407.86 -491.99,407.86 203.01,407.86 238.01,407.86 308.01,407.86 343.01,407.86 -631.99,442.86 -596.99,442.86 -561.99,442.86 -526.99,442.86 -491.99,442.86 203.01,442.86 238.01,442.86 273.01,442.86 308.01,442.86 343.01,442.86 -1891.99,1147.86 -1136.99,1147.86 -1101.99,1147.86 -1891.99,1182.86 -1856.99,1182.86 -1136.99,1182.86 -1101.99,1182.86 -1891.99,1427.86 -1856.99,1427.86 -1136.99,1427.86 -1101.99,1427.86 -1891.99,1462.86 -1136.99,1462.86 -1101.99,1462.86
CARD_DETECT: P4.9 R25.1 SIP2.19 | length 579
  Top Layer w8: SIP2.19@-1282.56,617.86 -1272.58,607.89 -1272.58,369.32 -1233.88,330.62 R25.1@-1226.99,330.62 -1220.1,330.62 -1146.99,257.51 -1146.99,105.07 P4.9@-1148.37,103.69